# Altium PCB MOTHERBOARD_Hristo_JLC2313.PcbDoc (part 1 of 4)
Units mm, origin at the board's own origin, x right, y up, seen from the top; angles counter-clockwise.
Board outline 100 x 50 mm, 4 copper layers (Top Layer, GND, Power, Bottom Layer), stack 1.548 mm thick; 230 components, 233 nets, 1062 pads, 1045 vias.
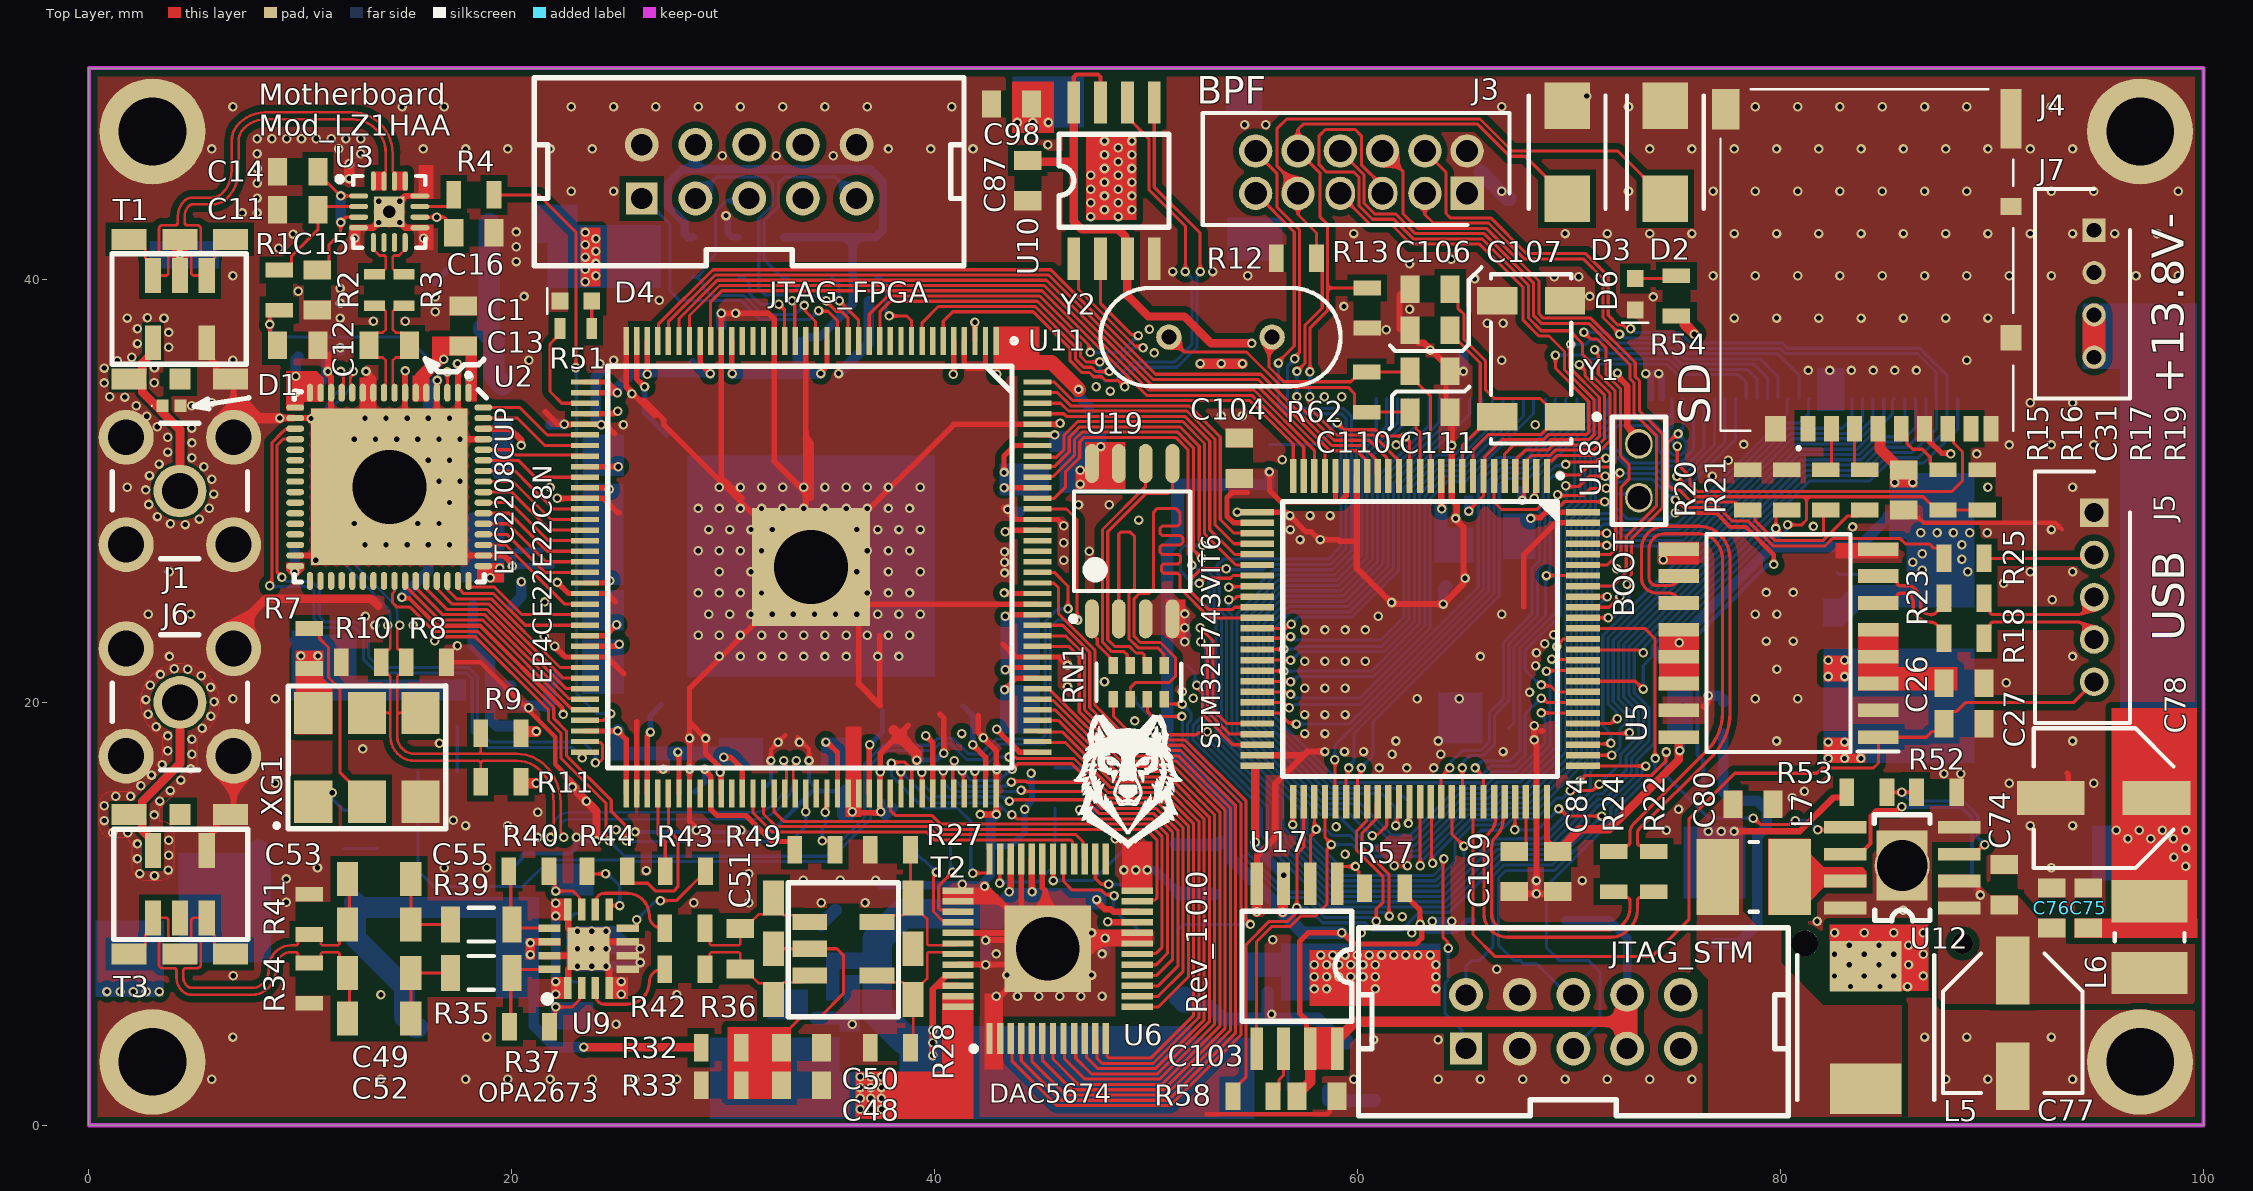
[diagram p0: Top Layer view]
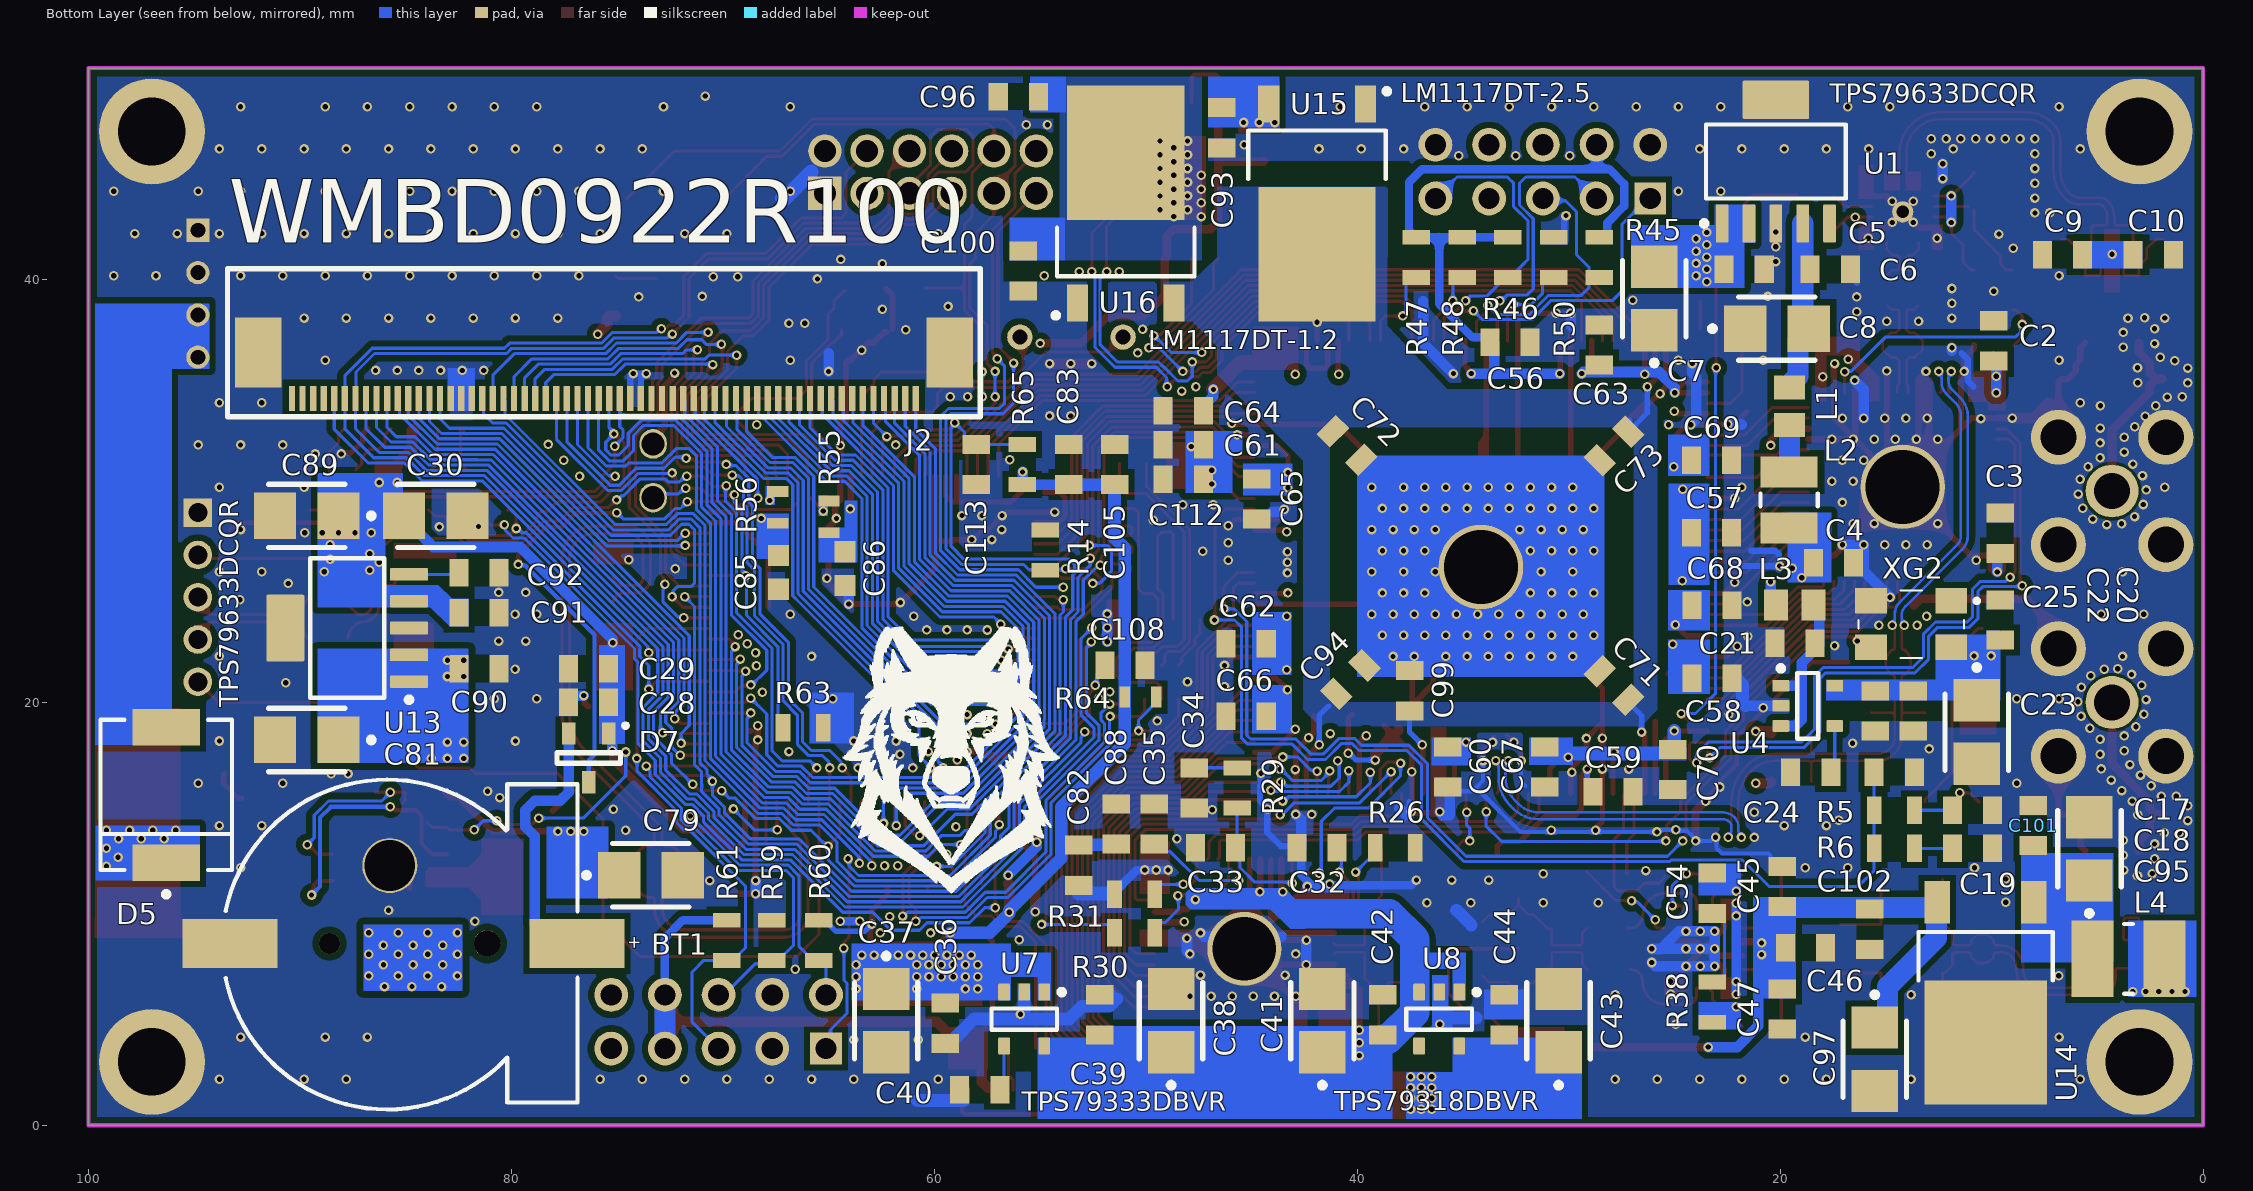
[diagram p1: Bottom Layer view, seen from below]
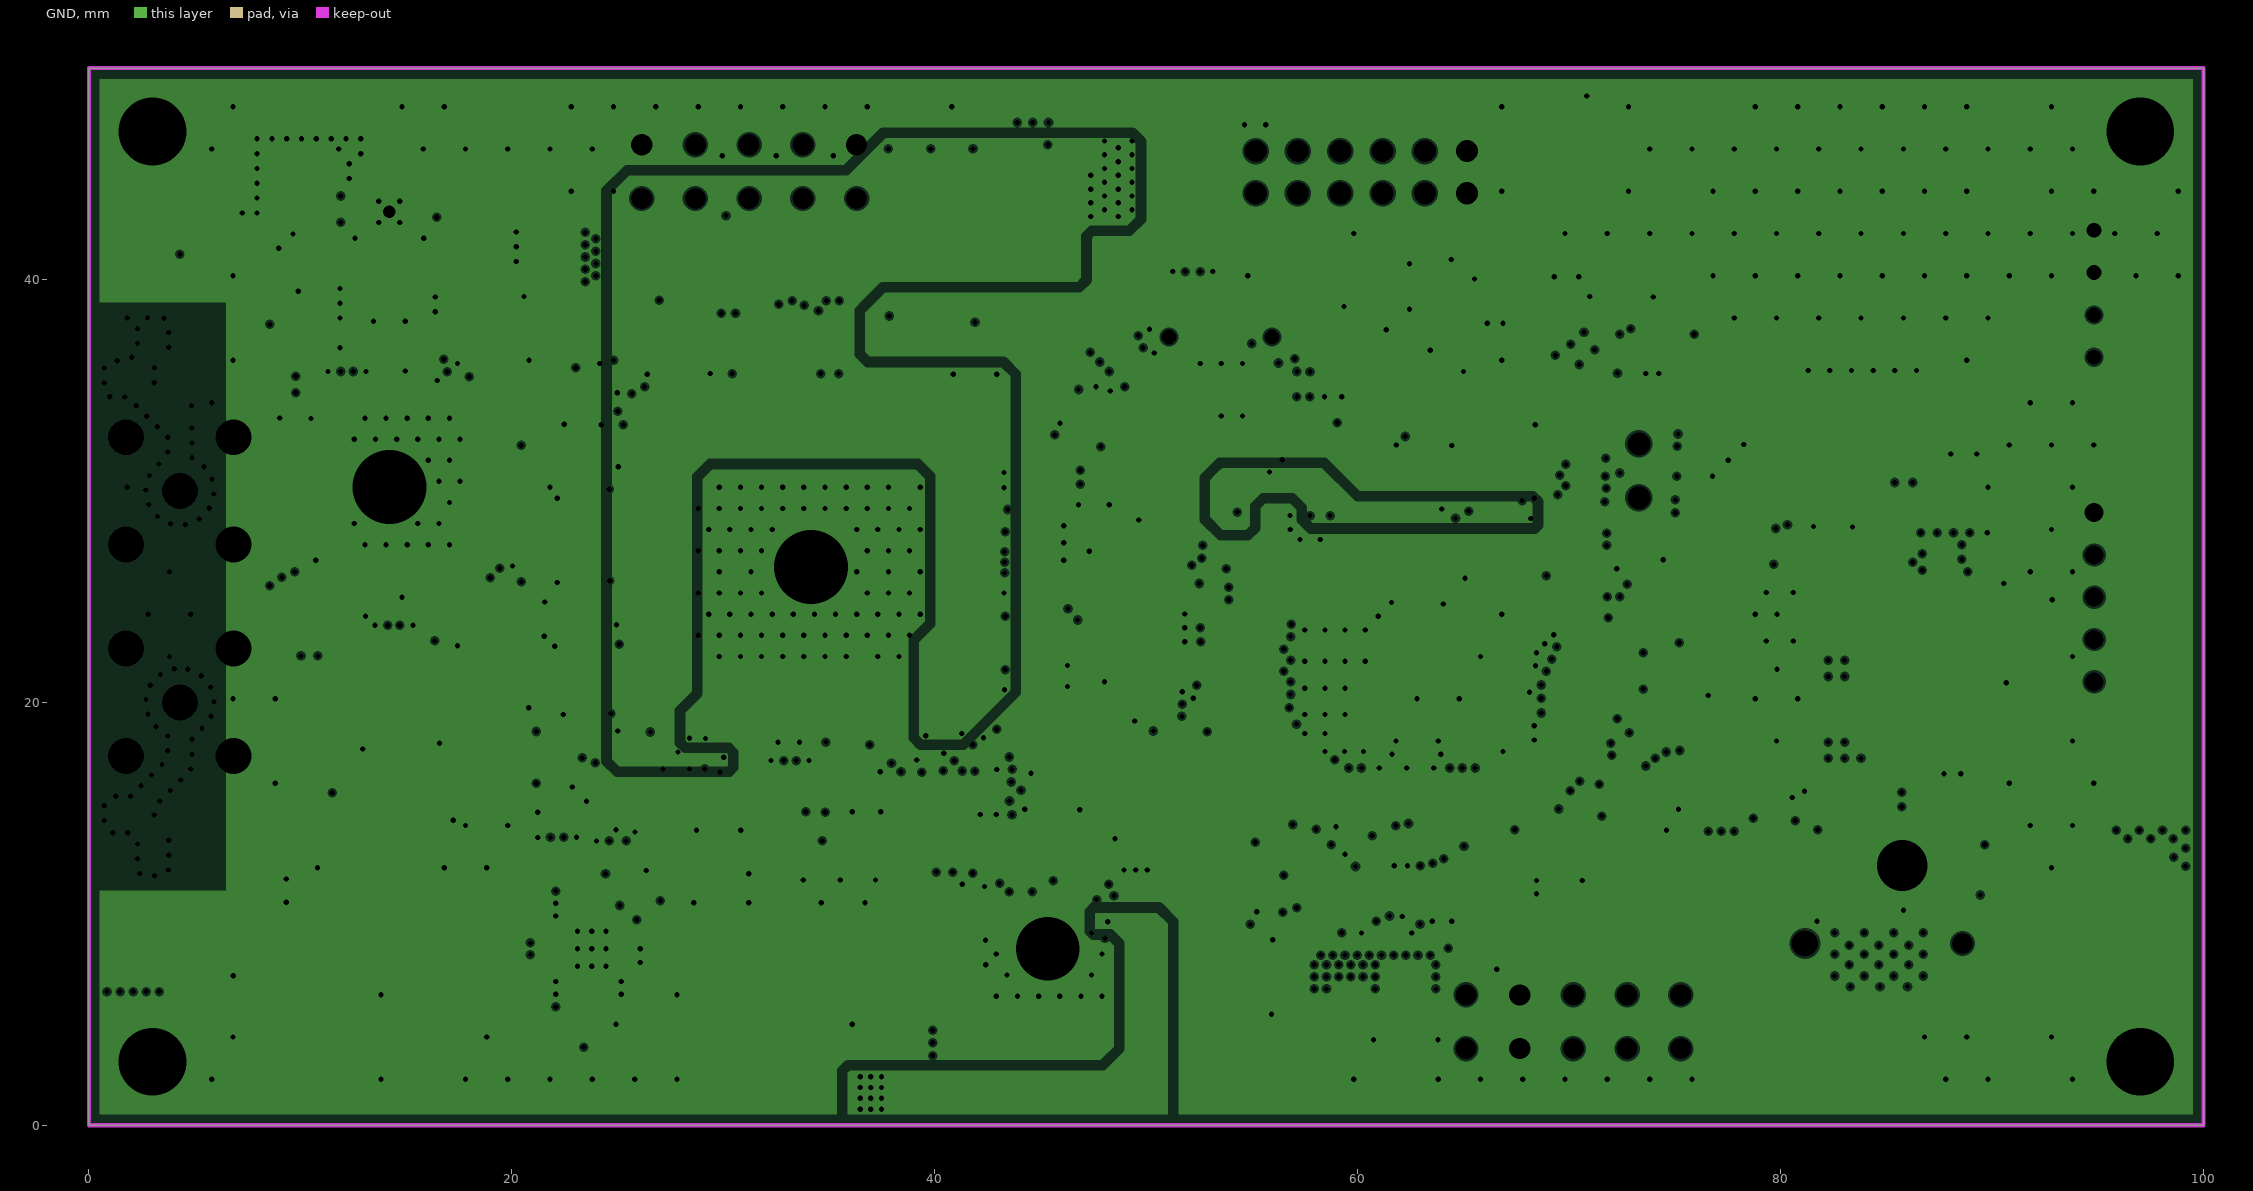
[diagram p2: GND, clearances drawn from the general rule]
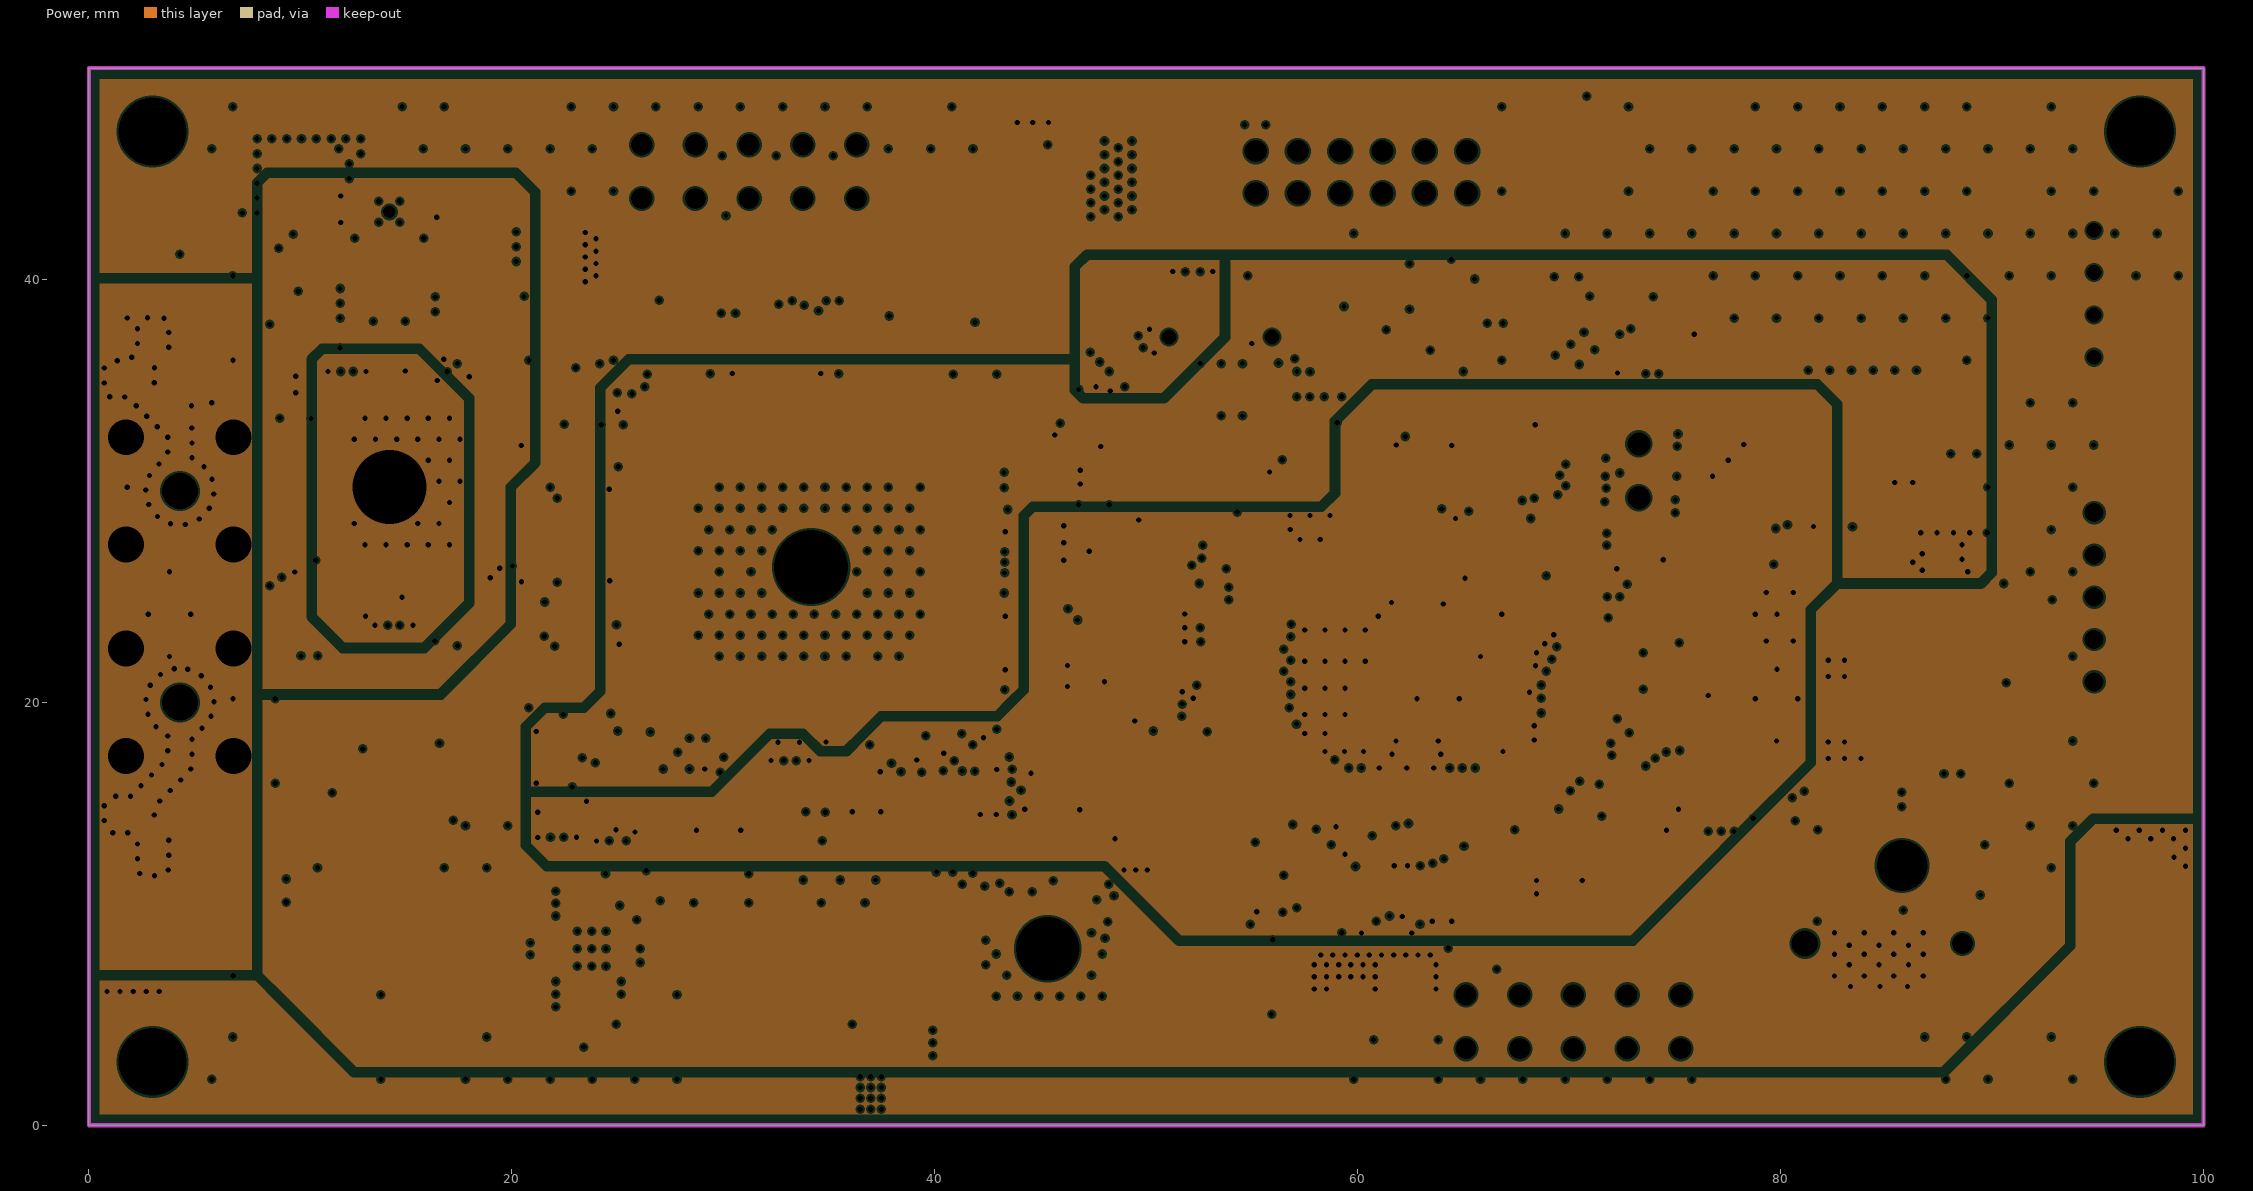
[diagram p3: Power, clearances drawn from the general rule]
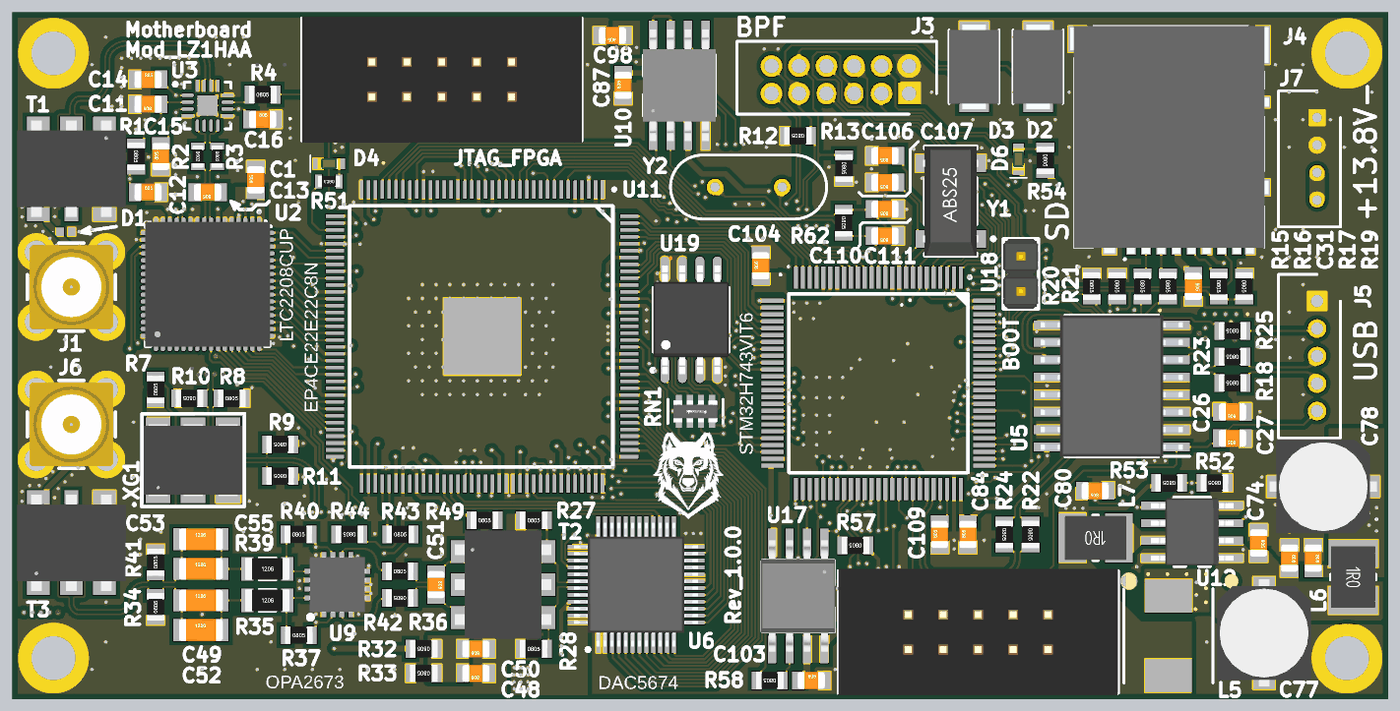
[diagram p7: 3D render of the assembled board from above, using the file's embedded part models]
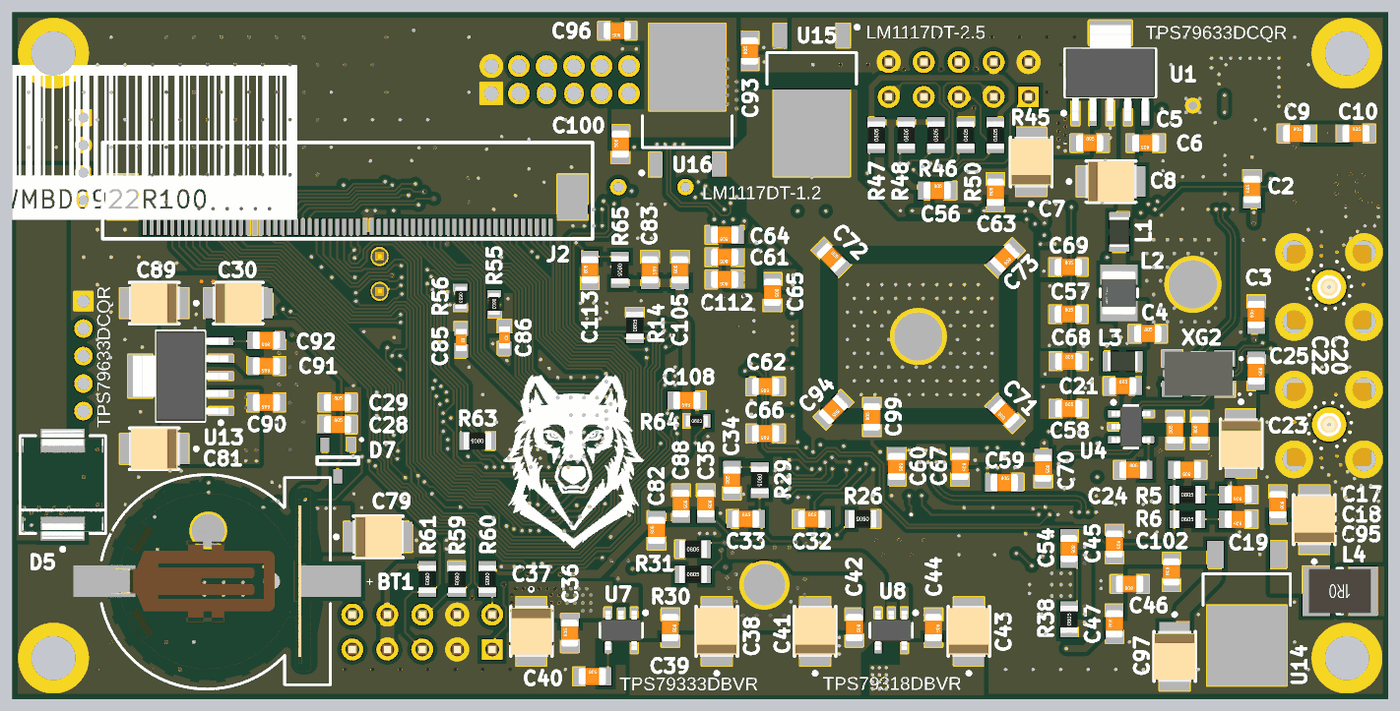
[diagram p8: 3D render of the assembled board from below, using the file's embedded part models]

## Layer stack, top to bottom
Top Solder: solder mask 0.0203, Solder Resist, Dk 3.8
Top Layer: signal copper 0.035
Dielectric 2: prepreg 0.0889, PP-022, Dk 4.05
GND: plane copper 0.0175, net (Multiple Nets)
Core: core 1.265, FR-4, Dk 4.3
Power: plane copper 0.0175, net (Multiple Nets)
Dielectric 3: prepreg 0.0889, PP-022, Dk 4.05
Bottom Layer: signal copper 0.035
Bottom Solder: solder mask 0.0203, Solder Resist, Dk 3.8

## Board outline
0,0 0,50 100,50 100,0

## Design rules (kind name [scope] priority, off if disabled: settings)
BoardOutlineClearance [All] p1: gap=0.2 ignorepadtopadclearanceinfootprint=FALSE except(0: Text-OutlineEdge Text-CavityEdge Text-CutoutEdge Text-SplitBarrior Text-SplitContinuation)
Clearance Clearance_Shielding [InPoly vs (InNet('NetD1_1') OR InNet('NetJ6_5'))] p1: gap=0.127 ignorepadtopadclearanceinfootprint=FALSE
Clearance Clearance_Poly [InPoly] p2: gap=0.3 ignorepadtopadclearanceinfootprint=FALSE
Clearance [All] p3: gap=0.102 ignorepadtopadclearanceinfootprint=FALSE except(0.127: Arc-Via Track-Via SMDPad-Via THPad-Via Via-Via Via-Fill Via-Poly Via-Region Via-Text; 0.2: Arc-Hole Track-Hole SMDPad-Hole THPad-Hole Via-Hole Fill-Hole Poly-Hole Region-Hole Text-Hole)
ComponentClearance [All] p1: gap=0.102 collisioncheckmode=3 verticalgap=0.102 showdistances=TRUE
DiffPairsRouting DiffPairsRouting_USB [InDifferentialPairClass('USB_DIFF')] p1: maxlimit=0.203 minlimit=0.203 mostfreqgap=0.203 toplayer_minwidth=0.153 toplayer_maxwidth=0.153 toplayer_prefwidth=0.153 bottomlayer_minwidth=0.153 bottomlayer_maxwidth=0.153 bottomlayer_prefwidth=0.153 impedanceprofiledriven=TRUE impedanceprofileid={CEFA1B5E-BB94-4C34-A21F-136AA14CA44B} impedanceprofilevalue=90.000000 maxuncoupledlength=12.7
DiffPairsRouting [InDifferentialPairClass('All Differential Pairs')] p2: maxlimit=0.203 minlimit=0.203 mostfreqgap=0.203 toplayer_minwidth=0.122 toplayer_maxwidth=0.122 toplayer_prefwidth=0.122 bottomlayer_minwidth=0.122 bottomlayer_maxwidth=0.122 bottomlayer_prefwidth=0.122 impedanceprofiledriven=TRUE impedanceprofileid={7464B295-71AC-4769-88A9-E7932A732156} impedanceprofilevalue=100.000000 maxuncoupledlength=12.7
Height [All] p1: minheight=0 maxheight=1816.048 prefheight=12.7
HoleSize [All] p1: absolutevalues=TRUE maxlimit=6.3 minlimit=0.2 maxpercent=80.000 minpercent=20.000
HoleToHoleClearance [All] p1: gap=0.25 allowstackedmicrovias=FALSE
MatchedLengths "Schematic Matched Net Lengths_1" [InNetClass('DSPI')] p1: tolerance=2.54 checknetsindiffpair=FALSE checkdiffpairvsdiffpair=TRUE checkxsignals=TRUE checkothers=TRUE
MatchedLengths "Schematic Matched Net Lengths" [InNetClass('DSPI_CH')] p2: tolerance=2.54 checknetsindiffpair=FALSE checkdiffpairvsdiffpair=TRUE checkxsignals=TRUE checkothers=TRUE
MatchedLengths MatchedLengths_ADC [InNetClass('ADC_DATA')] p3: tolerance=2.54 checknetsindiffpair=FALSE checkdiffpairvsdiffpair=TRUE checkxsignals=TRUE checkothers=TRUE usedelayunits=TRUE delaytolerance=100.000000
MatchedLengths MatchedLengths_DAC [InNetClass('DAC_DATA')] p4: tolerance=2.54 checknetsindiffpair=FALSE checkdiffpairvsdiffpair=TRUE checkxsignals=TRUE checkothers=TRUE usedelayunits=TRUE delaytolerance=130.000000
MinimumAnnularRing [All] p1: minimumring=0.076
MinimumSolderMaskSliver [All] p1: minsoldermaskwidth=0
PlaneClearance [All] p1: clearance=0.102
PlaneConnect PlaneConnectPowerPads [InNetClass('PowerPads')] p1: planeconnectstyle=Direct reliefexpansion=0.508 reliefentries=4 reliefconductorwidth=0.254 reliefairgap=0.254
PlaneConnect [All] p2: pad.planeconnectstyle=Relief pad.reliefexpansion=0.3 pad.reliefentries=4 pad.reliefconductorwidth=0.102 pad.reliefairgap=0.102 via.planeconnectstyle=Direct via.reliefexpansion=0.3 via.reliefentries=4 via.reliefconductorwidth=0.127 via.reliefairgap=0.127
PolygonConnect PolygonConnectPowerPads_1 [InNetClass('PowerPads')] p1: connectstyle=Direct reliefconductorwidth=0.254 reliefentries=4 polygonreliefangle="90 Angle" airgapwidth=0.254
PolygonConnect [All] p2: thpad.connectstyle=Relief thpad.reliefconductorwidth=0.102 thpad.reliefentries=4 thpad.polygonreliefangle="90 Angle" thpad.airgapwidth=0.102 smdpad.connectstyle=Relief smdpad.reliefconductorwidth=0.102 smdpad.reliefentries=4 smdpad.polygonreliefangle="90 Angle" smdpad.airgapwidth=0.102 via.connectstyle=Direct via.reliefconductorwidth=0.127 via.reliefentries=4 via.polygonreliefangle="90 Angle" via.airgapwidth=0.127
ReturnPath ReturnPath_D90 [InDifferentialPairClass('USB_DIFF')] p1: impedanceprofileid={CEFA1B5E-BB94-4C34-A21F-136AA14CA44B} _gaplimit=0
ReturnPath ReturnPath_D100 [(InDifferentialPairClass('All Differential Pairs'))] p2: impedanceprofileid={7464B295-71AC-4769-88A9-E7932A732156} _gaplimit=0
ReturnPath ReturnPath_S50 [InNet('CLKOUTA') or InNet('TCXO_CLK') or InNet('PERI_MISO') or InNet('PERI_MOSI') or  InNet('PERI_SCK') or InNet('FPGA_FLASH_MISO') or InNet('FPGA_FLASH_MOSI') or InNet('FPGA_FLASH_SCK') or InNet('DSPI_CLK') or InNet('DSPI_IO0') or InNet('DSPI_IO1')] p3: impedanceprofileid={FB84875F-B9A5-44C3-B60B-98CB1B1919B8} _gaplimit=0
RoutingVias [All] p1: holewidth=0.2 width=0.45 viastyle="Through Hole" minholewidth=0.2 minwidth=0.45 maxholewidth=6.3 maxwidth=6.55
SilkToSilkClearance [All] p1: silktosilkclearance=0
SilkToSolderMaskClearance [IsPad] p1: minsilkscreentomaskgap=0 clearancetoexposedcopper=TRUE
SolderMaskExpansion [All] p1: expansion=0.075 istentingtop=FALSE
Width Width_Power [InNetClass('PowerPads')] p1: maxlimit=5 minlimit=0.14 preferedwidth=0.254
Width "Schematic Width Constraint_1" [InNet('NetJ6_5')] p2: maxlimit=0.415 minlimit=0.415 preferedwidth=0.415 impedanceprofiledriven=TRUE impedanceprofileid={FF5E15D8-3F98-4166-98C4-26BDA66ECE37} impedanceprofilevalue=50.000000 minimp=50.000000 maximp=50.000000 favimp=50.000000
Width "Schematic Width Constraint" [InNet('NetD1_1')] p3: maxlimit=0.415 minlimit=0.415 preferedwidth=0.415 impedanceprofiledriven=TRUE impedanceprofileid={FF5E15D8-3F98-4166-98C4-26BDA66ECE37} impedanceprofilevalue=50.000000 minimp=50.000000 maximp=50.000000 favimp=50.000000
Width [All] p4: maxlimit=0.147 minlimit=0.147 preferedwidth=0.147 impedanceprofiledriven=TRUE impedanceprofileid={FB84875F-B9A5-44C3-B60B-98CB1B1919B8} impedanceprofilevalue=50.000000 minimp=50.000000 maximp=50.000000 favimp=50.000000
20 further rules are at their usual default settings.

## Classes and differential pairs
net class DSPI_CH: NetRN1_1 NetRN1_2 NetRN1_3
net class DSPI: DSPI_CLK DSPI_IO0 DSPI_IO1
net class DAC_DATA: DAC1 DAC2 DAC3 DAC4 DAC5 DAC6 DAC7 DAC8 DAC9 DAC10 DAC11 DAC12 DAC13 DAC14
net class ADC_DATA: DA0 DA1 DA2 DA3 DA4 DA5 DA6 DA7 DA8 DA9 DA10 DA11 DA12 DA13 DA14 DA15
differential pair class USB_DIFF: D DD UD USB_D
net class PowerPads: 5V +1V2 +2V5 +3V3 +5 +12 +13.8 +VA +VD GND NetBT1_2 NetC1_1 NetC6_2 NetC20_2 NetC21_2 NetC74_2 NetD7_3 NetL1_2 NetL7_1 VIN
component class STM32: BOOT BT1 C103 C104 C105 C106 C107 C108 C109 C110 C111 C112 C113 D7 JTAG_STM R55 R56 R57 R58 R59 R60 R61 R62 R63 R64 R65 RN1 U17 U18 U19 Y1 Y2
component class FPGA: C56 C57 C58 C59 C60 C61 C62 C63 C64 C65 C66 C67 C68 C69 C70 C71 C72 C73 D4 JTAG_FPGA R45 R46 R47 R48 R49 R50 R51 U10 U11
component class POWER: C74 C75 C76 C77 C78 C79 C80 C81 C82 C83 C84 C85 C86 C87 C88 C89 C90 C91 C92 C93 C94 C95 C96 C97 C98 C99 C100 C101 C102 D5 D6 J7 L4 L5 L6 L7 R52 R53 R54 U12 U13 U14 U15 U16
component class DAC: C32 C33 C34 C35 C36 C37 C38 C39 C40 C41 C42 C43 C44 C45 C46 C47 C48 C49 C50 C51 C52 C53 C54 C55 J6 R26 R27 R28 R29 R30 R31 R32 R33 R34 R35 R36 R37 R38 R39 R40 R41 R42 R43 R44 T2 T3 U6 U7 U8 U9
component class CONNECTIONS: C26 C27 C28 C29 C30 C31 D2 D3 J2 J3 J4 J5 R12 R13 R14 R15 R16 R17 R18 R19 R20 R21 R22 R23 R24 R25 U5
component class CLOCK_GENERATOR: C17 C18 C19 C20 C21 C22 C23 C24 C25 L3 R5 R6 R7 R8 R9 R10 R11 U4 XG1 XG2
component class ADC: C1 C2 C3 C4 C5 C6 C7 C8 C9 C10 C11 C12 C13 C14 C15 C16 D1 J1 L1 L2 Q1 R1 R2 R3 R4 T1 U1 U2 U3
differential pair USB_D: +USB_D_P -USB_D_N
differential pair UD: +UD_P -UD_N
differential pair D: +D_P -D_N
differential pair DD: +DD_P -DD_N
differential pair AOUT: +AOUT_P -AOUT_N
differential pair T: +T_P -T_N
differential pair T6: +T6_P -T6_N
differential pair IN: +IN_P -IN_N
differential pair DAC_OUT: +DAC_OUT_P -DAC_OUT_N
differential pair CLK_122.88M: +CLK_122.88M_P -CLK_122.88M_N
differential pair AIN: +AIN_P -AIN_N

## Components (designator, comment, footprint, x,y, rotation, side; value= is the part's Value field where it differs from the comment)